# KiCad board latentpink.kicad_pcb
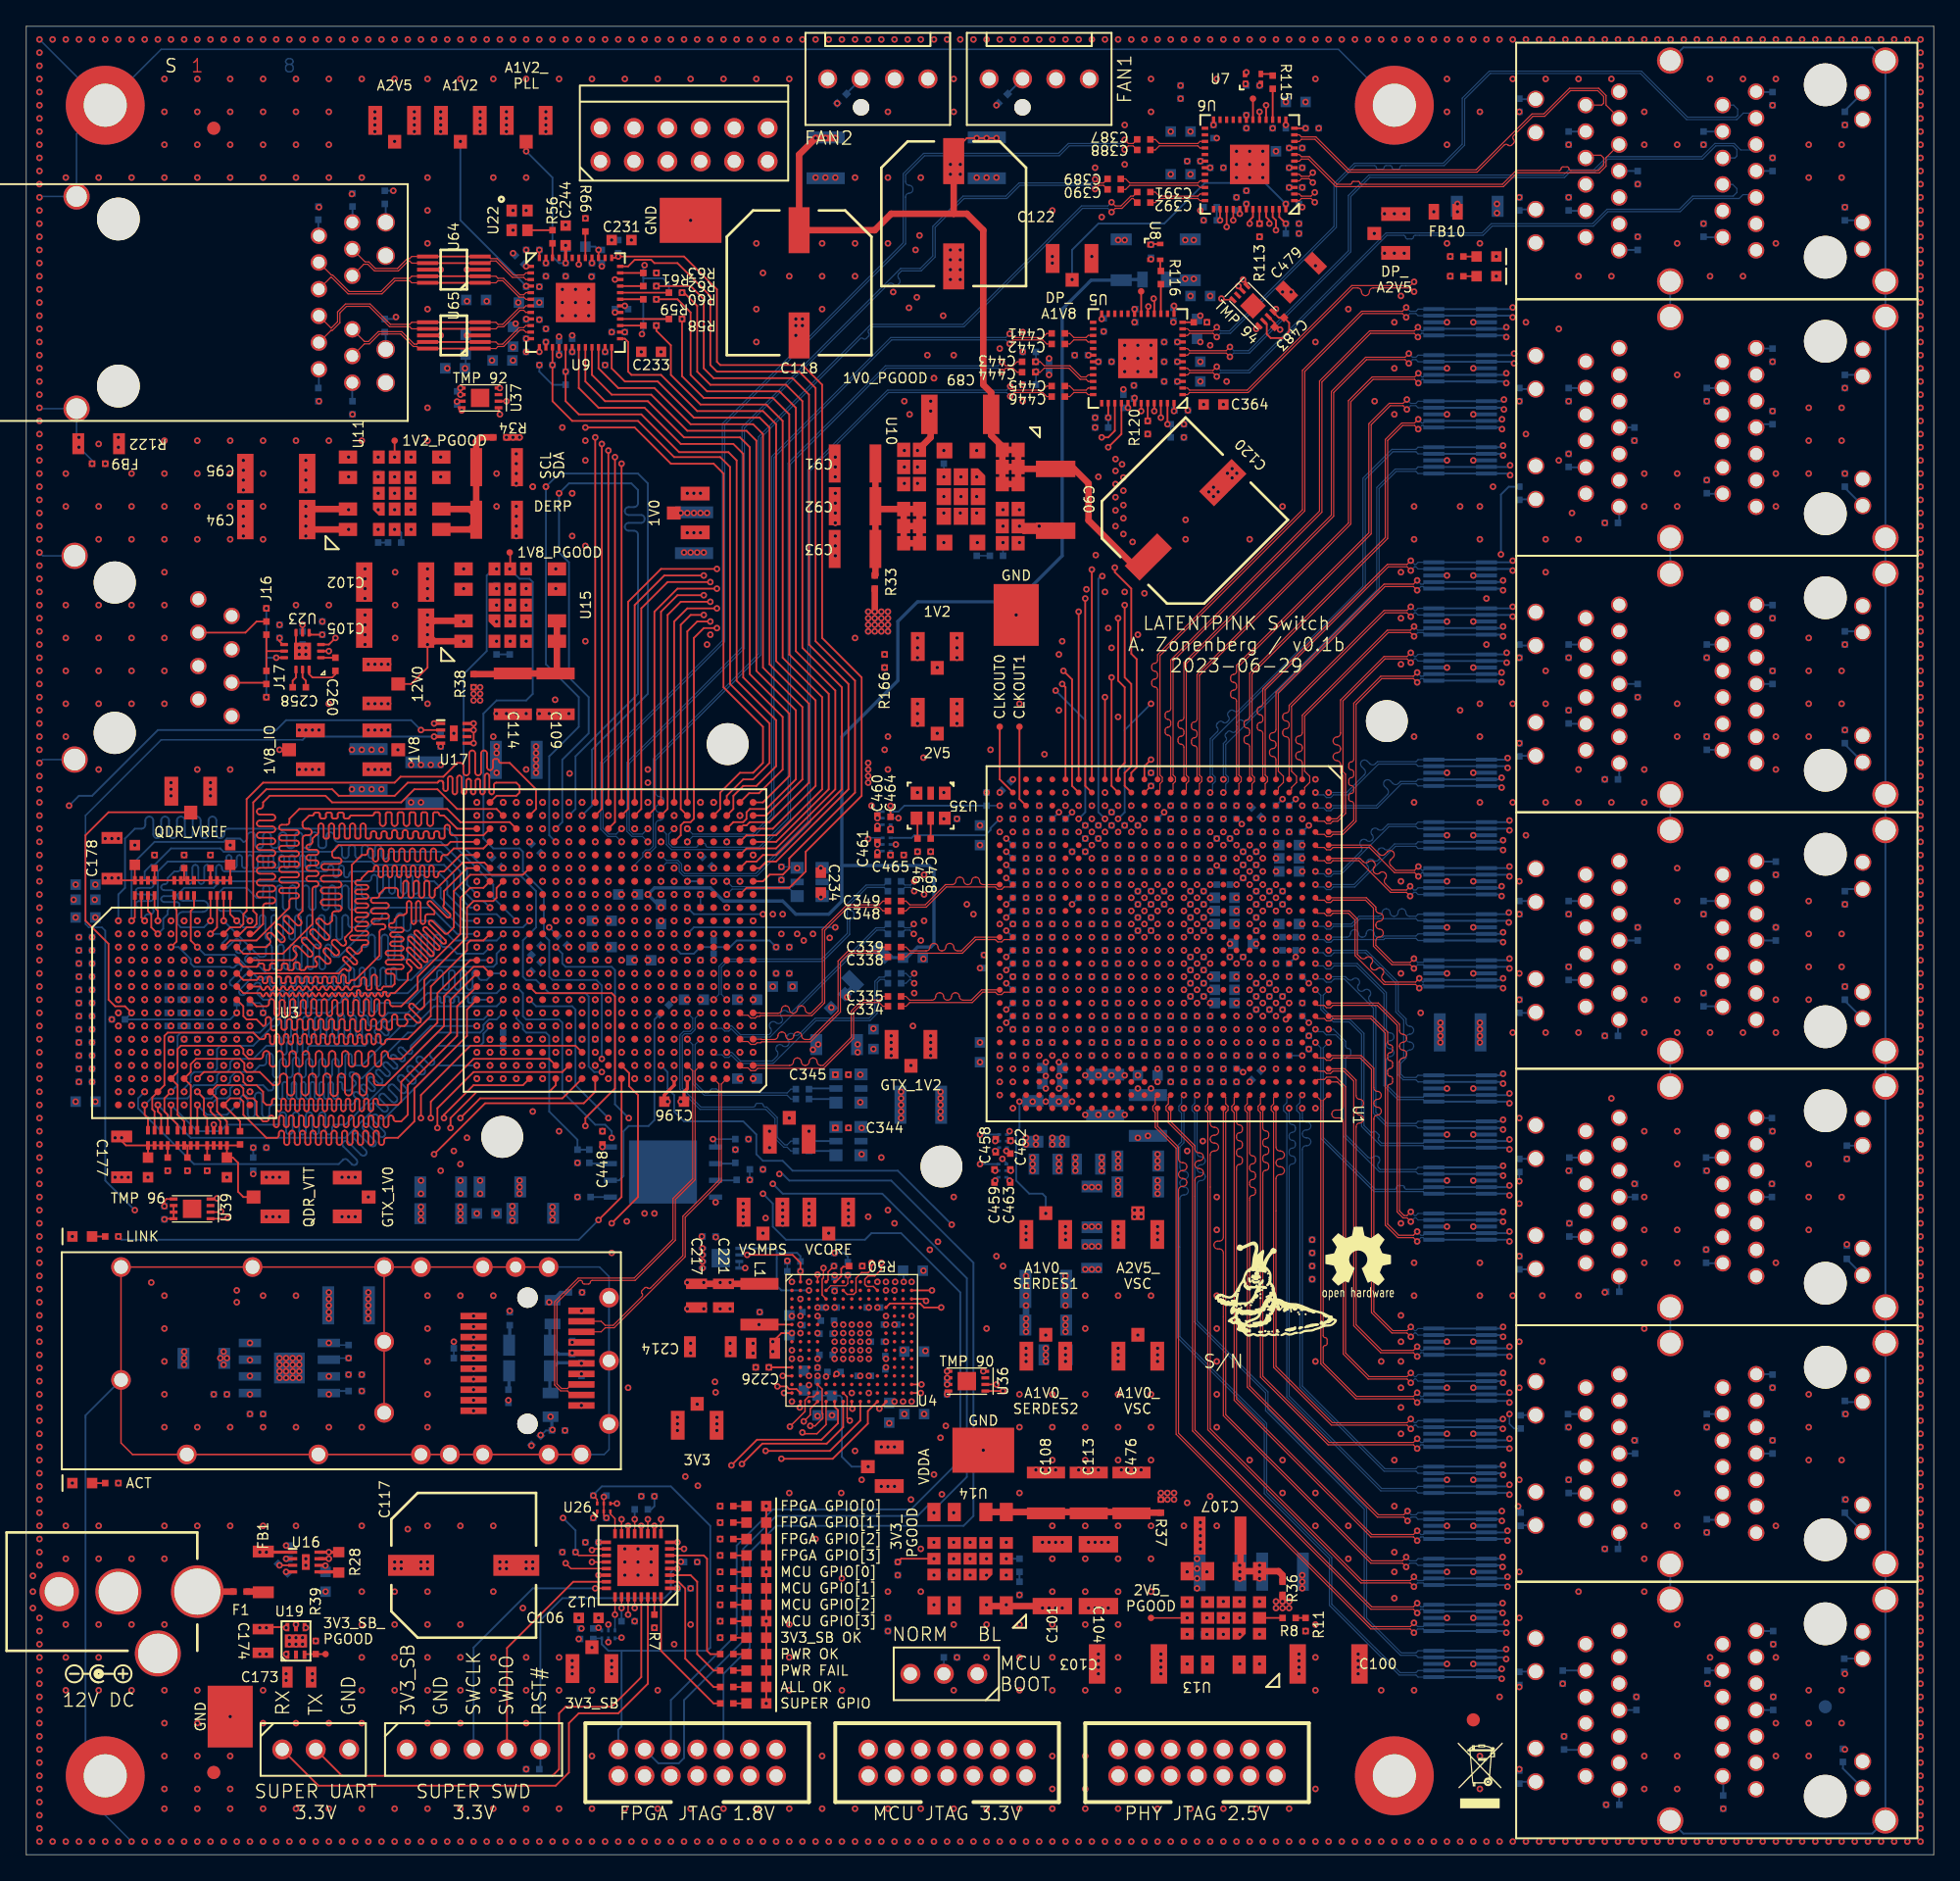
[diagram p0: board, top side]
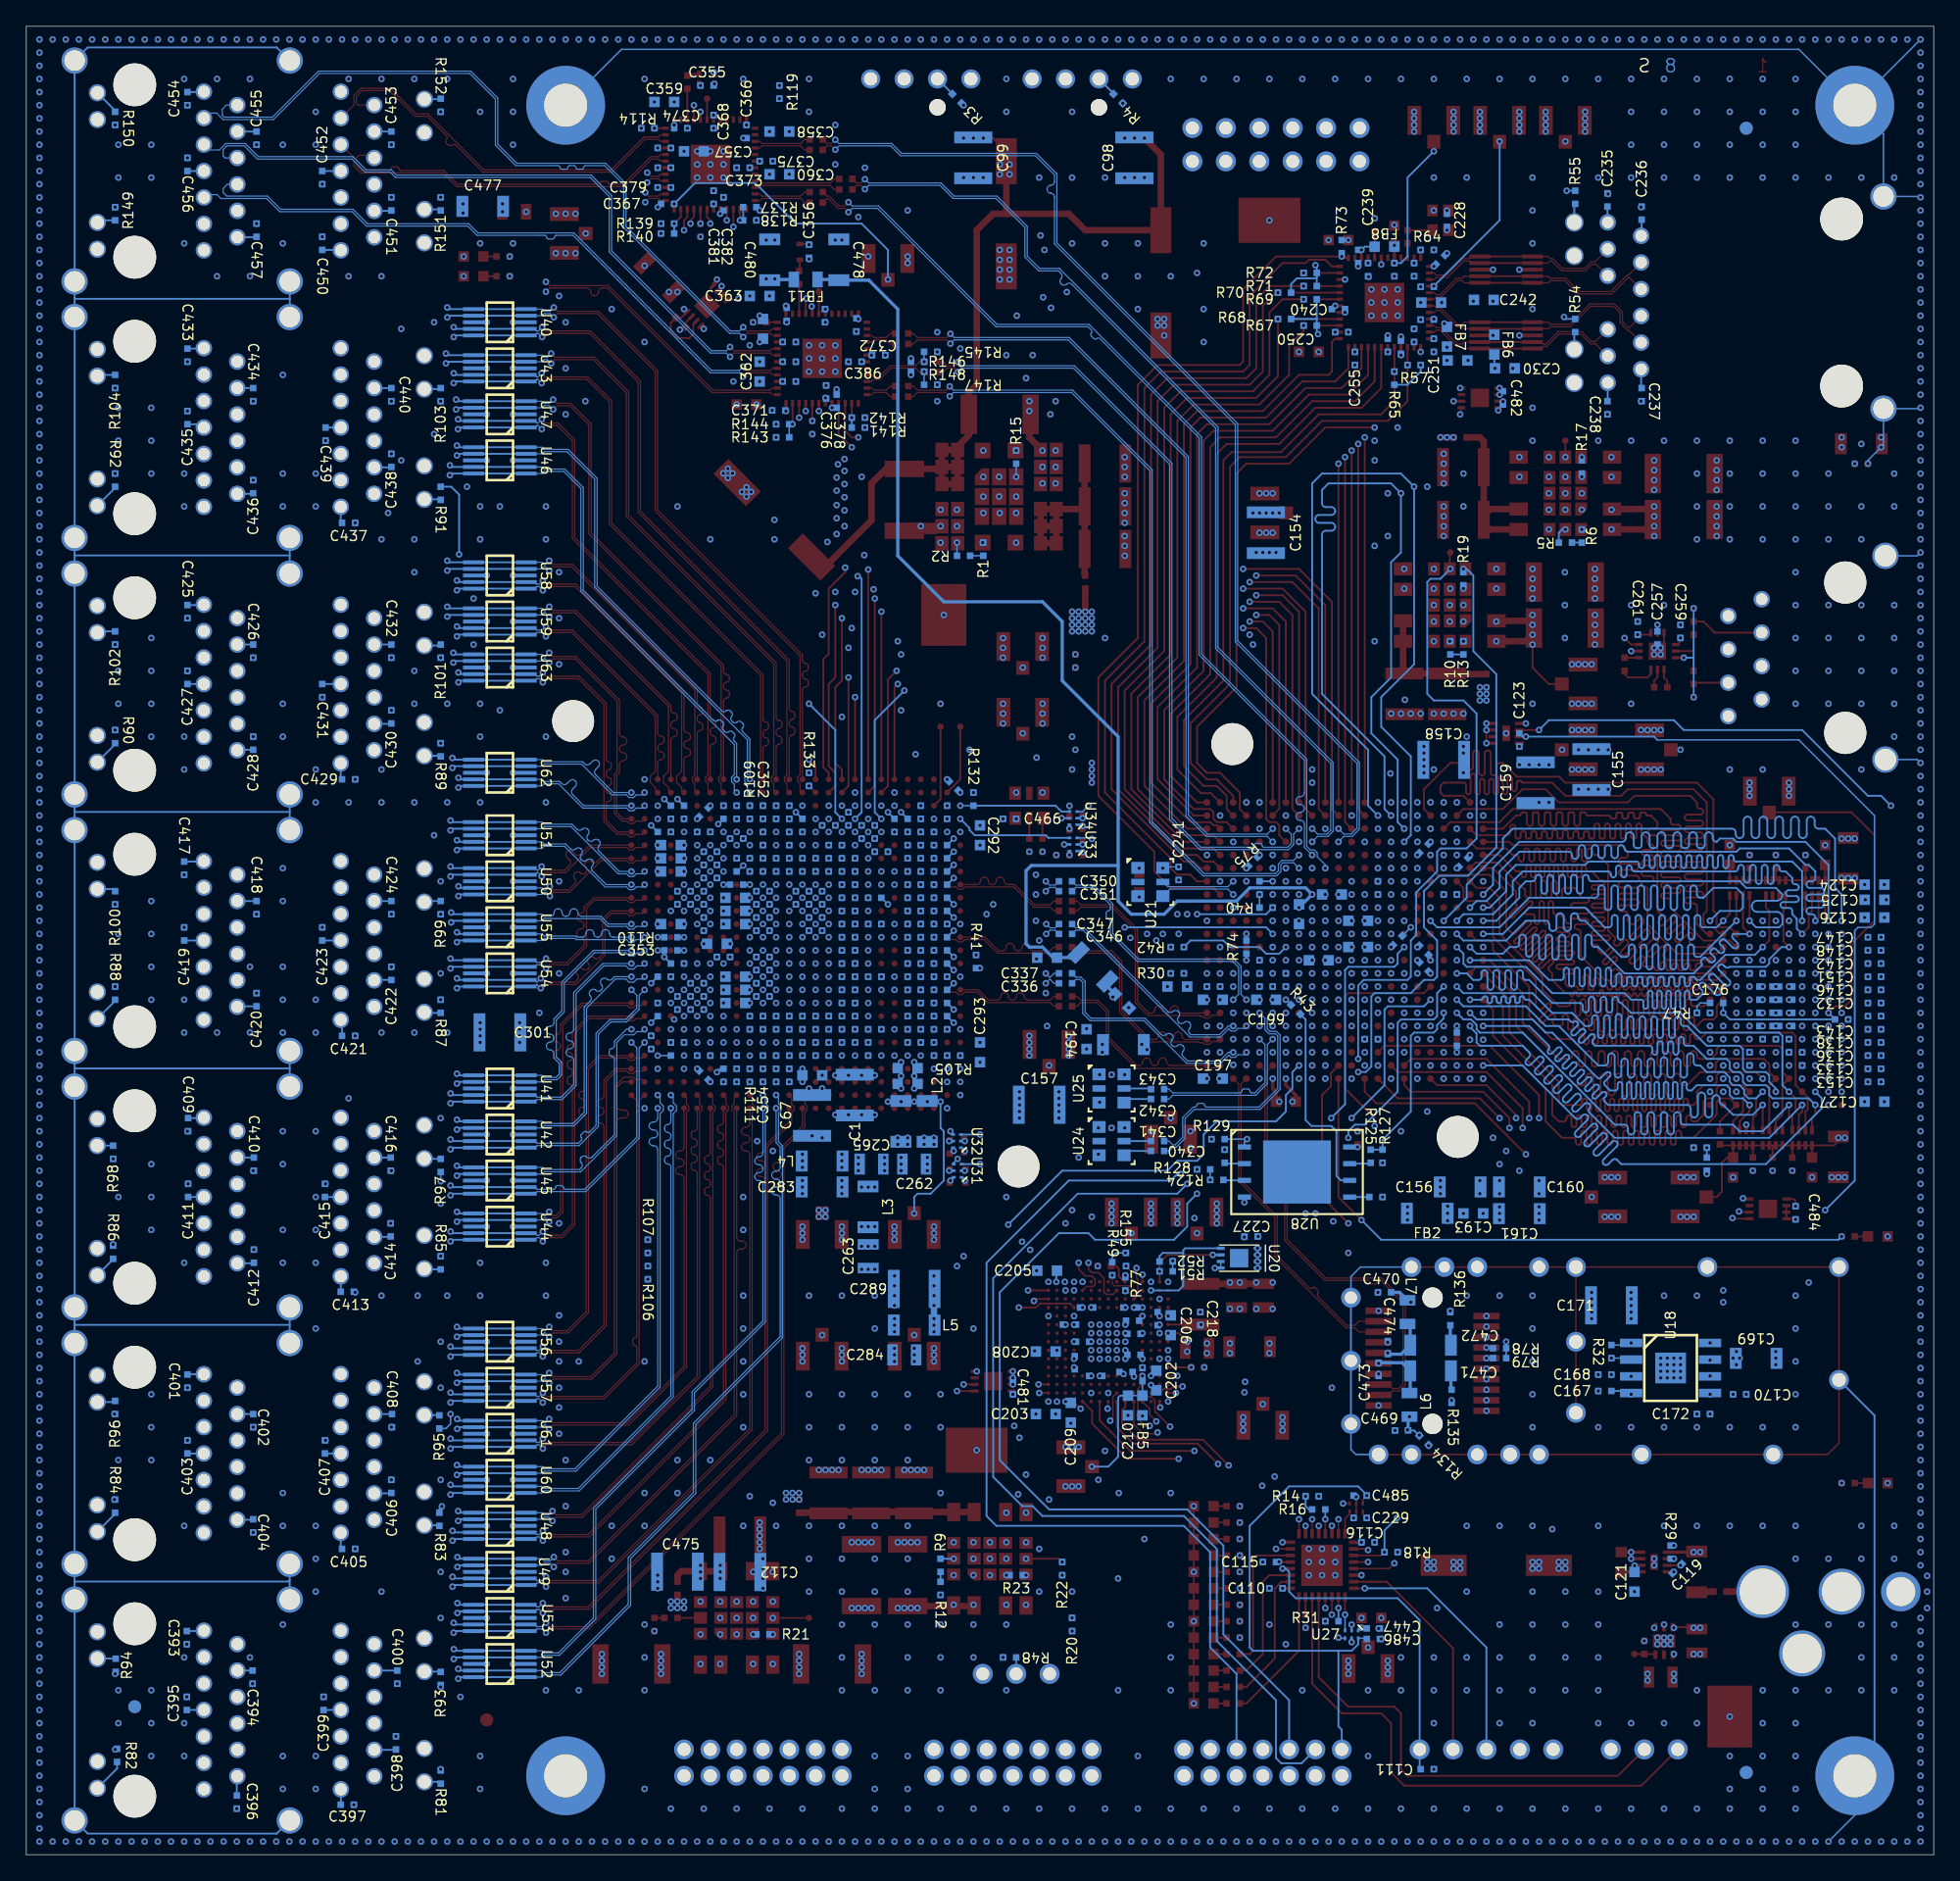
[diagram p1: board, bottom side, seen from below]

Outline 145 x 139 mm; copper layers: Top, In1.Cu, In2.Cu, In3.Cu, In4.Cu, In5.Cu, In6.Cu, Bottom. Coordinates in mm from the lower left corner of the outline.
Outline path: 0,139 0,0 145,0 145,139 0,139
Stack: Top 0.035mm / dielectric 0.274mm FR4 er 4.5 / In1.Cu 0.035mm / dielectric 0.274mm FR4 er 4.5 / In2.Cu 0.035mm / dielectric 0.274mm FR4 er 4.5 / In3.Cu 0.035mm / dielectric 0.274mm FR4 er 4.5 / In4.Cu 0.035mm / dielectric 0.274mm FR4 er 4.5 / In5.Cu 0.035mm / dielectric 0.274mm FR4 er 4.5 / In6.Cu 0.035mm / dielectric 0.274mm FR4 er 4.5 / Bottom 0.035mm

## Placement (name value [footprint] x y rotation side)
C1  330 uF  [EIA_1210_CAP_NOSILK]  82 57.75 270 bottom
C2  0.47 uF  [EIA_0402_CAP_NOSILK]  86 61.25 270 bottom
C3  0.47 uF  [EIA_0402_CAP_NOSILK]  88 75.25 270 bottom
C4  0.47 uF  [EIA_0402_CAP_NOSILK]  80.5 62.75 180 bottom
C5  0.47 uF  [EIA_0402_CAP_NOSILK]  87 61.25 270 bottom
C6  47 uF  [EIA_1206_CAP_NOSILK]  78.5 55.75 270 bottom
C7  0.47 uF  [EIA_0402_CAP_NOSILK]  77.5 64.75 0 bottom
C8  4.7 uF  [EIA_0603_CAP_NOSILK]  91.1 66.75 180 bottom
C9  0.47 uF  [EIA_0402_CAP_NOSILK]  85 63.25 90 bottom
C10  0.47 uF  [EIA_0402_CAP_NOSILK]  89 77.25 90 bottom
C11  0.47 uF  [EIA_0402_CAP_NOSILK]  84 61.25 270 bottom
C12  0.47 uF  [EIA_0402_CAP_NOSILK]  80.5 72.75 180 bottom
C13  4.7 uF  [EIA_0603_CAP_NOSILK]  78 58.6 0 bottom
C14  0.47 uF  [EIA_0402_CAP_NOSILK]  77.5 63.75 0 bottom
C15  4.7 uF  [EIA_0603_CAP_NOSILK]  91.1 72.75 180 bottom
C16  0.47 uF  [EIA_0402_CAP_NOSILK]  80.5 66.75 180 bottom
C17  0.47 uF  [EIA_0402_CAP_NOSILK]  87 77.25 90 bottom
C18  0.47 uF  [EIA_0402_CAP_NOSILK]  82.5 68.75 0 bottom
C19  0.47 uF  [EIA_0402_CAP_NOSILK]  89 63.25 90 bottom
C20  4.7 uF  [EIA_0603_CAP_NOSILK]  78 59.8 0 bottom
C21  0.47 uF  [EIA_0402_CAP_NOSILK]  77.5 71.75 0 bottom
C22  4.7 uF  [EIA_0603_CAP_NOSILK]  91.1 71.75 180 bottom
C23  0.47 uF  [EIA_0402_CAP_NOSILK]  80.5 70.75 180 bottom
C24  0.47 uF  [EIA_0402_CAP_NOSILK]  82.5 73.75 0 bottom
C25  0.47 uF  [EIA_0402_CAP_NOSILK]  82.5 70.75 0 bottom
C26  0.47 uF  [EIA_0402_CAP_NOSILK]  85 75.25 270 bottom
C27  0.47 uF  [EIA_0402_CAP_NOSILK]  77.5 61.75 0 bottom
C28  0.47 uF  [EIA_0402_CAP_NOSILK]  77.5 62.75 0 bottom
C29  4.7 uF  [EIA_0603_CAP_NOSILK]  91.1 65.75 180 bottom
C30  0.47 uF  [EIA_0402_CAP_NOSILK]  83.5 76.75 180 bottom
C31  0.47 uF  [EIA_0402_CAP_NOSILK]  82.5 63.75 0 bottom
C32  0.47 uF  [EIA_0402_CAP_NOSILK]  82.5 75.75 0 bottom
C33  0.47 uF  [EIA_0402_CAP_NOSILK]  81 61.25 270 bottom
C34  0.47 uF  [EIA_0402_CAP_NOSILK]  77.5 76.75 0 bottom
C35  0.47 uF  [EIA_0402_CAP_NOSILK]  77.5 72.75 0 bottom
C36  4.7 uF  [EIA_0603_CAP_NOSILK]  91.1 70.75 180 bottom
C37  0.47 uF  [EIA_0402_CAP_NOSILK]  86 75.25 270 bottom
C38  0.47 uF  [EIA_0402_CAP_NOSILK]  82.5 65.75 0 bottom
C39  0.47 uF  [EIA_0402_CAP_NOSILK]  82.5 62.75 0 bottom
C40  0.47 uF  [EIA_0402_CAP_NOSILK]  82.5 61.75 0 bottom
C41  0.47 uF  [EIA_0402_CAP_NOSILK]  77.5 74.75 0 bottom
C42  0.47 uF  [EIA_0402_CAP_NOSILK]  77.5 65.75 0 bottom
C43  4.7 uF  [EIA_0603_CAP_NOSILK]  91.1 64.75 180 bottom
C44  0.47 uF  [EIA_0402_CAP_NOSILK]  82.5 66.75 0 bottom
C45  0.47 uF  [EIA_0402_CAP_NOSILK]  82.5 71.75 0 bottom
C46  0.47 uF  [EIA_0402_CAP_NOSILK]  89 75.25 270 bottom
C47  0.47 uF  [EIA_0402_CAP_NOSILK]  82.5 64.75 0 bottom
C48  0.47 uF  [EIA_0402_CAP_NOSILK]  77.5 70.75 0 bottom
C49  0.47 uF  [EIA_0402_CAP_NOSILK]  77.5 75.75 0 bottom
C50  0.47 uF  [EIA_0402_CAP_NOSILK]  91 73.75 180 bottom
C51  0.47 uF  [EIA_0402_CAP_NOSILK]  87 63.25 90 bottom
C52  0.47 uF  [EIA_0402_CAP_NOSILK]  84 63.25 90 bottom
C53  0.47 uF  [EIA_0402_CAP_NOSILK]  82.5 74.75 0 bottom
C54  0.47 uF  [EIA_0402_CAP_NOSILK]  77.5 73.75 0 bottom
C55  0.47 uF  [EIA_0402_CAP_NOSILK]  77.5 66.75 0 bottom
C56  0.47 uF  [EIA_0402_CAP_NOSILK]  87 75.25 270 bottom
C57  0.47 uF  [EIA_0402_CAP_NOSILK]  82.5 69.75 0 bottom
C58  0.47 uF  [EIA_0402_CAP_NOSILK]  82.5 72.75 0 bottom
C59  0.47 uF  [EIA_0402_CAP_NOSILK]  85 61.25 270 bottom
C60  0.47 uF  [EIA_0402_CAP_NOSILK]  77.5 67.75 0 bottom
C61  0.47 uF  [EIA_0402_CAP_NOSILK]  77.5 69.75 0 bottom
C62  0.47 uF  [EIA_0402_CAP_NOSILK]  88 63.25 90 bottom
C63  0.47 uF  [EIA_0402_CAP_NOSILK]  84 75.25 270 bottom
C64  0.47 uF  [EIA_0402_CAP_NOSILK]  86 63.25 90 bottom
C65  0.47 uF  [EIA_0402_CAP_NOSILK]  82.5 67.75 0 bottom
C66  0.47 uF  [EIA_0402_CAP_NOSILK]  77.5 68.75 0 bottom
C67  47 uF  [EIA_1210_CAP_NOSILK]  85.25 56.2 270 bottom
C68  0.47 uF  [EIA_0402_CAP_NOSILK]  95.5 67.75 0 bottom
C69  0.47 uF  [EIA_0402_CAP_NOSILK]  87.5 79.75 180 bottom
C70  4.7 uF  [EIA_0603_CAP_NOSILK]  85.25 59.25 0 bottom
C71  0.47 uF  [EIA_0402_CAP_NOSILK]  96.5 66.75 0 bottom
C72  0.47 uF  [EIA_0402_CAP_NOSILK]  91.5 59.75 0 bottom
C73  4.7 uF  [EIA_0603_CAP_NOSILK]  96 74.75 0 bottom
C74  0.47 uF  [EIA_0402_CAP_NOSILK]  91.5 78.75 0 bottom
C75  0.47 uF  [EIA_0402_CAP_NOSILK]  96 79.25 90 bottom
C76  4.7 uF  [EIA_0603_CAP_NOSILK]  96 70.75 0 bottom
C77  0.47 uF  [EIA_0402_CAP_NOSILK]  88.5 60.75 0 bottom
C78  0.47 uF  [EIA_0402_CAP_NOSILK]  87.5 59.75 180 bottom
C79  0.47 uF  [EIA_0402_CAP_NOSILK]  91.5 79.75 0 bottom
C80  0.47 uF  [EIA_0402_CAP_NOSILK]  93.5 59.25 225 bottom
C81  0.47 uF  [EIA_0402_CAP_NOSILK]  93.5 79.25 135 bottom
C82  0.47 uF  [EIA_0402_CAP_NOSILK]  87.5 78.75 180 bottom
C83  0.47 uF  [EIA_0402_CAP_NOSILK]  91.5 58.75 0 bottom
C84  0.47 uF  [EIA_0402_CAP_NOSILK]  93.5 77.75 180 bottom
C85  0.47 uF  [EIA_0402_CAP_NOSILK]  95 79.25 90 bottom
C86  0.47 uF  [EIA_0402_CAP_NOSILK]  96.5 77.75 0 bottom
C87  0.47 uF  [EIA_0402_CAP_NOSILK]  93.5 60.75 180 bottom
C88  0.47 uF  [EIA_0402_CAP_NOSILK]  87.5 58.75 180 bottom
C89  22 uF 25V  [EIA_1812_CAP_NOSILK]  71 109.5 180 top
C90  22 uF 25V  [EIA_1812_CAP_NOSILK]  78.25 103 270 top
C91  220 uF  [EIA_1210_CAP_NOSILK]  63 105.75 180 top
C92  220 uF  [EIA_1210_CAP_NOSILK]  63 102.5 180 top
C93  220 uF  [EIA_1210_CAP_NOSILK]  63 99.25 180 top
C94  22 uF 25V  [EIA_1812_CAP_NOSILK]  19 101.5 180 top
C95  22 uF 25V  [EIA_1812_CAP_NOSILK]  19 105 180 top
C96  220 uF  [EIA_1210_CAP_NOSILK]  35.75 101.5 0 top
C97  220 uF  [EIA_1210_CAP_NOSILK]  35.75 105.5 0 top
C98  10 uF 25V  [EIA_1210_CAP_NOSILK]  60.75 129 270 bottom
C99  10 uF 25V  [EIA_1210_CAP_NOSILK]  73 129 270 bottom
C100  22 uF 25V  [EIA_1812_CAP_NOSILK]  99 14.5 0 top
C101  22 uF 25V  [EIA_1812_CAP_NOSILK]  78 21.25 90 top
C102  22 uF 25V  [EIA_1812_CAP_NOSILK]  28.04 96.75 180 top
C103  22 uF 25V  [EIA_1812_CAP_NOSILK]  83.75 14.5 180 top
C104  22 uF 25V  [EIA_1812_CAP_NOSILK]  81.5 21.25 270 top
C105  22 uF 25V  [EIA_1812_CAP_NOSILK]  28.04 93.25 180 top
C106  4.7 uF  [EIA_0603_CAP_NOSILK]  42.75 18 0 top
C107  220 uF  [EIA_1210_CAP_NOSILK]  90.75 24.25 180 top
C108  220 uF  [EIA_1210_CAP_NOSILK]  77.5 27.5 90 top
C109  220 uF  [EIA_1210_CAP_NOSILK]  40.25 88.25 270 top
C110  0.47 uF  [EIA_0402_CAP_NOSILK]  50 20.25 0 bottom
C111  0.1 uF  [EIA_0402_CAP_NOSILK]  38.5 6.5 180 bottom
C112  220 uF  [EIA_1210_CAP_NOSILK]  90.75 21.5 180 bottom
C113  220 uF  [EIA_1210_CAP_NOSILK]  80.75 27.5 90 top
C114  220 uF  [EIA_1210_CAP_NOSILK]  37 88.25 270 top
C115  0.47 uF  [EIA_0402_CAP_NOSILK]  50.5 22.25 0 bottom
C116  0.47 uF  [EIA_0402_CAP_NOSILK]  43 23.75 180 bottom
C117  EEH-ZS1E102UV  [CAP_AL_10MM_SMT]  33.25 22 90 top
C118  DNP  [CAP_AL_10MM_SMT]  58.75 119.5 0 top
C119  0.47 uF  [EIA_0402_CAP_NOSILK]  19.5 21.75 315 bottom
C120  DNP  [CAP_AL_10MM_SMT]  88.13 101.48 135 top
C121  0.015 uF  [EIA_0603_CAP_NOSILK]  22.75 20.75 270 bottom
C122  EEH-ZS1E102UV  [CAP_AL_10MM_SMT]  70.5 124.75 0 top
C123  0.47 uF  [EIA_0402_CAP_NOSILK]  31.5 84.75 270 bottom
C124  4.7 uF  [EIA_0603_CAP_NOSILK]  4.5 73.75 180 bottom
C125  4.7 uF  [EIA_0603_CAP_NOSILK]  4.5 72.6 180 bottom
C126  4.7 uF  [EIA_0603_CAP_NOSILK]  4.5 71.25 180 bottom
C127  4.7 uF  [EIA_0603_CAP_NOSILK]  4.5 57.25 180 bottom
C128  0.47 uF  [EIA_0402_CAP_NOSILK]  4.5 63.75 180 bottom
C129  0.47 uF  [EIA_0402_CAP_NOSILK]  12.5 62 180 bottom
C130  0.47 uF  [EIA_0402_CAP_NOSILK]  11.25 66 0 bottom
C131  0.47 uF  [EIA_0402_CAP_NOSILK]  13.5 67 180 bottom
C132  0.47 uF  [EIA_0402_CAP_NOSILK]  4.5 64.75 180 bottom
C133  0.47 uF  [EIA_0402_CAP_NOSILK]  4.5 59.75 180 bottom
C134  0.47 uF  [EIA_0402_CAP_NOSILK]  12.75 63 180 bottom
C135  0.47 uF  [EIA_0402_CAP_NOSILK]  11.25 65 0 bottom
C136  0.47 uF  [EIA_0402_CAP_NOSILK]  4.5 60.75 180 bottom
C137  0.47 uF  [EIA_0402_CAP_NOSILK]  10 60.5 270 bottom
C138  0.47 uF  [EIA_0402_CAP_NOSILK]  4.5 61.75 180 bottom
C139  0.47 uF  [EIA_0402_CAP_NOSILK]  12.75 66 180 bottom
C140  0.47 uF  [EIA_0402_CAP_NOSILK]  12.75 65 180 bottom
C141  0.47 uF  [EIA_0402_CAP_NOSILK]  14 60.5 270 bottom
C142  0.47 uF  [EIA_0402_CAP_NOSILK]  4.5 67.75 180 bottom
C143  0.47 uF  [EIA_0402_CAP_NOSILK]  4.5 62.75 180 bottom
C144  0.47 uF  [EIA_0402_CAP_NOSILK]  11 61.5 270 bottom
C145  0.47 uF  [EIA_0402_CAP_NOSILK]  12.75 64 180 bottom
C146  0.47 uF  [EIA_0402_CAP_NOSILK]  4.5 65.75 180 bottom
C147  0.47 uF  [EIA_0402_CAP_NOSILK]  4.5 69.75 180 bottom
C148  0.47 uF  [EIA_0402_CAP_NOSILK]  4.5 68.75 180 bottom
C149  0.47 uF  [EIA_0402_CAP_NOSILK]  11.25 64 0 bottom
C150  0.47 uF  [EIA_0402_CAP_NOSILK]  11.25 63 0 bottom
C151  0.47 uF  [EIA_0402_CAP_NOSILK]  4.5 66.75 180 bottom
C152  0.47 uF  [EIA_0402_CAP_NOSILK]  10.5 67 0 bottom
C153  0.47 uF  [EIA_0402_CAP_NOSILK]  4.5 58.75 180 bottom
C154  330 uF  [EIA_1210_CAP_NOSILK]  50.75 100.5 270 bottom
C155  47 uF  [EIA_1210_CAP_NOSILK]  26 82.5 270 bottom
C156  100 uF  [EIA_1206_CAP_NOSILK]  36 50.75 0 bottom
C157  47 uF  [EIA_1210_CAP_NOSILK]  68 57 0 bottom
C158  330 uF  [EIA_1210_CAP_NOSILK]  37.25 83.25 180 bottom
C159  47 uF  [EIA_1210_CAP_NOSILK]  30.25 81.5 270 bottom
C160  100 uF  [EIA_1206_CAP_NOSILK]  31.5 50.75 0 bottom
C161  100 uF  [EIA_1206_CAP_NOSILK]  31.5 48.75 180 bottom
C162  4.7 uF  [EIA_0603_CAP_NOSILK]  45.75 73 0 bottom
C163  4.7 uF  [EIA_0603_CAP_NOSILK]  43.75 69 0 bottom
C164  4.7 uF  [EIA_0603_CAP_NOSILK]  46.75 68 0 bottom
C165  4.7 uF  [EIA_0603_CAP_NOSILK]  43.75 71 0 bottom
C166  4.7 uF  [EIA_0603_CAP_NOSILK]  48.25 71.5 270 bottom
C167  0.1 uF  [EIA_0402_CAP_NOSILK]  25 35.25 0 bottom
C168  0.1 uF  [EIA_0402_CAP_NOSILK]  25 36.5 0 bottom
C169  22 uF  [EIA_1206_CAP_NOSILK]  13.5 37.75 180 bottom
C170  0.47 uF  [EIA_0402_CAP_NOSILK]  14.75 35 180 bottom
C171  220 uF  [EIA_1210_CAP_NOSILK]  24.5 41.75 0 bottom
C172  0.47 uF  [EIA_0402_CAP_NOSILK]  17.5 33.5 0 bottom
C173  2.2 uF  [EIA_0805_CAP_NOSILK]  20.75 13.5 0 top
C174  2.2 uF  [EIA_0805_CAP_NOSILK]  18 16.25 270 top
C175  0.47 uF  [EIA_0402_CAP_NOSILK]  7 63.5 180 bottom
C176  0.47 uF  [EIA_0402_CAP_NOSILK]  16.5 64.75 0 bottom
C177  47 uF  [EIA_1206_CAP_NOSILK]  7.26 53.05 270 top
C178  47 uF  [EIA_1206_CAP_NOSILK]  6.5 75.75 90 top
C179  0.47 uF  [EIA_0402_CAP_NOSILK]  14 75.5 90 top
C180  4.7 uF  [EIA_0603_CAP_NOSILK]  15.5 76 90 top
C181  0.47 uF  [EIA_0402_CAP_NOSILK]  12 75.5 90 top
C182  4.7 uF  [EIA_0603_CAP_NOSILK]  15.25 52.25 270 top
C183  0.47 uF  [EIA_0402_CAP_NOSILK]  9.75 75.5 90 top
C184  4.7 uF  [EIA_0603_CAP_NOSILK]  8.25 76 90 top
C185  0.47 uF  [EIA_0402_CAP_NOSILK]  10.75 52.5 270 top
C186  4.7 uF  [EIA_0603_CAP_NOSILK]  9.25 52.25 270 top
C187  0.47 uF  [EIA_0402_CAP_NOSILK]  12.25 52.5 270 top
C188  0.47 uF  [EIA_0402_CAP_NOSILK]  35.75 75.45 135 bottom
C189  0.47 uF  [EIA_0402_CAP_NOSILK]  13.75 52.5 270 top
C190  0.47 uF  [EIA_0402_CAP_NOSILK]  38.75 76.5 135 bottom
C191  0.47 uF  [EIA_0402_CAP_NOSILK]  42.75 62 0 bottom
C192  0.47 uF  [EIA_0402_CAP_NOSILK]  36.25 62 90 bottom
C193  4.7 uF  [EIA_0603_CAP_NOSILK]  35 48.75 180 bottom
C194  4.7 uF  [EIA_0603_CAP_NOSILK]  64.4 62 90 bottom
C195  4.7 uF  [EIA_0603_CAP_NOSILK]  67.4 68.2 0 bottom
C196  4.7 uF  [EIA_0603_CAP_NOSILK]  49.25 57.25 180 top
C197  4.7 uF  [EIA_0603_CAP_NOSILK]  54.8 59 0 bottom
C198  4.7 uF  [EIA_0603_CAP_NOSILK]  57.5 66 0 bottom
C199  4.7 uF  [EIA_0603_CAP_NOSILK]  50.75 65 0 bottom
C200  4.7 uF  [EIA_0603_CAP_NOSILK]  54.8 65 0 bottom
C201  4.7 uF  [EIA_0603_CAP_NOSILK]  61.7 64.9 225 bottom
C202  4.7 uF  [EIA_0603_CAP_NOSILK]  59.1 36.05 270 bottom
C203  4.7 uF  [EIA_0603_CAP_NOSILK]  67.5 33.5 0 bottom
C204  10 uF  [EIA_0805_CAP_NOSILK]  56 38.5 180 top
C205  2.2 uF  [EIA_0603_CAP_NOSILK]  67.4 44.4 0 bottom
C206  4.7 uF  [EIA_0603_CAP_NOSILK]  58 40.25 90 bottom
C207  0.1 uF  [EIA_0402_CAP_NOSILK]  59 40.75 270 bottom
C208  4.7 uF  [EIA_0603_CAP_NOSILK]  67.5 38.25 180 bottom
C209  2.2 uF  [EIA_0603_CAP_NOSILK]  65.6 33.6 270 bottom
C210  4.7 uF  [EIA_0603_CAP_NOSILK]  61.25 34.15 270 bottom
C211  0.47 uF  [EIA_0402_CAP_NOSILK]  64.4 41.6 180 bottom
C212  0.47 uF  [EIA_0402_CAP_NOSILK]  61.1 41.6 180 bottom
C213  0.47 uF  [EIA_0402_CAP_NOSILK]  60.15 36.5 90 bottom
C214  22 uF  [EIA_1206_CAP_NOSILK]  52 38.6 180 top
C215  0.47 uF  [EIA_0402_CAP_NOSILK]  64.7 39 180 bottom
C216  0.47 uF  [EIA_0402_CAP_NOSILK]  65.3 37.4 270 bottom
C217  10 uF  [EIA_0805_CAP_NOSILK]  50.95 42.5 270 top
C218  220 pF  [EIA_0402_CAP_NOSILK]  55.75 40.75 90 bottom
C219  0.47 uF  [EIA_0402_CAP_NOSILK]  65.7 40.3 180 bottom
C220  0.47 uF  [EIA_0402_CAP_NOSILK]  60.9 40.6 180 bottom
C221  10 uF  [EIA_0805_CAP_NOSILK]  53 42.5 270 top
C222  0.47 uF  [EIA_0402_CAP_NOSILK]  60.8 38 0 bottom
C223  0.47 uF  [EIA_0402_CAP_NOSILK]  63.7 36.4 180 bottom
C224  0.47 uF  [EIA_0402_CAP_NOSILK]  60.8 39.6 0 bottom
C225  0.47 uF  [EIA_0402_CAP_NOSILK]  61.4 36.7 180 bottom
C226  0.1 uF  [EIA_0402_CAP_NOSILK]  55.95 37.05 180 top
C227  0.47 uF  [EIA_0402_CAP_NOSILK]  51.9 47 180 bottom
C228  0.47 uF  [EIA_0402_CAP_NOSILK]  37 124.25 270 bottom
C229  0.47 uF  [EIA_0402_CAP_NOSILK]  43.6 25.6 0 bottom
C230  4.7 uF  [EIA_0603_CAP_NOSILK]  32.6 113 180 bottom
C231  4.7 uF  [EIA_0603_CAP_NOSILK]  45.25 122.75 0 top
C232  4.7 uF  [EIA_0603_CAP_NOSILK]  36.2 113.6 180 bottom
C233  4.7 uF  [EIA_0603_CAP_NOSILK]  47.5 114.25 0 top
C234  4.7 uF  [EIA_0603_CAP_NOSILK]  60.4 73.9 270 top
C235  0.1 uF  [EIA_0402_CAP_NOSILK]  24.8 125.8 270 bottom
C236  0.1 uF  [EIA_0402_CAP_NOSILK]  22.2 124.8 270 bottom
C237  0.1 uF  [EIA_0402_CAP_NOSILK]  22.2 111 90 bottom
C238  0.1 uF  [EIA_0402_CAP_NOSILK]  24.8 110 90 bottom
C239  0.47 uF  [EIA_0402_CAP_NOSILK]  43 120.5 270 bottom
C240  0.47 uF  [EIA_0402_CAP_NOSILK]  45.25 117.5 180 bottom
C241  0.47 uF  [EIA_0402_CAP_NOSILK]  57.4 74.6 270 bottom
C242  4.7 uF  [EIA_0603_CAP_NOSILK]  34.2 118.2 0 bottom
C243  4.7 uF  [EIA_0603_CAP_NOSILK]  38.2 118 0 bottom
C244  4.7 uF  [EIA_0603_CAP_NOSILK]  41 123.1 90 top
C245  0.47 uF  [EIA_0402_CAP_NOSILK]  40.5 114.6 90 bottom
C246  0.47 uF  [EIA_0402_CAP_NOSILK]  41.5 114.75 90 bottom
C247  0.47 uF  [EIA_0402_CAP_NOSILK]  38.5 116.7 0 bottom
C248  0.47 uF  [EIA_0402_CAP_NOSILK]  41 120.5 270 bottom
C249  0.47 uF  [EIA_0402_CAP_NOSILK]  39.5 120.5 270 bottom
C250  0.47 uF  [EIA_0402_CAP_NOSILK]  45 115.75 180 bottom
C251  0.47 uF  [EIA_0402_CAP_NOSILK]  38 114.75 270 bottom
C252  0.47 uF  [EIA_0402_CAP_NOSILK]  38.5 119.2 0 bottom
C253  0.47 uF  [EIA_0402_CAP_NOSILK]  39.5 115.5 90 bottom
C254  0.47 uF  [EIA_0402_CAP_NOSILK]  37.5 121.25 135 bottom
C255  0.47 uF  [EIA_0402_CAP_NOSILK]  44 113.75 270 bottom
C256  0.47 uF  [EIA_0402_CAP_NOSILK]  43.75 121.5 270 bottom
C257  0.47 uF  [EIA_0402_CAP_NOSILK]  21 92.5 270 bottom
C258  0.1 uF  [EIA_0402_CAP_NOSILK]  20.75 88.75 180 top
C259  0.1 uF  [EIA_0402_CAP_NOSILK]  19.25 93 90 bottom
C260  0.1 uF  [EIA_0402_CAP_NOSILK]  23.5 90.5 270 top
C261  0.1 uF  [EIA_0402_CAP_NOSILK]  22.5 93.25 90 bottom
C262  22 uF  [EIA_0805_CAP_NOSILK]  77.5 52.5 0 bottom
C263  22 uF  [EIA_0805_CAP_NOSILK]  81 45.5 270 bottom
C264  0.47 uF  [EIA_0402_CAP_NOSILK]  94 64.25 0 bottom
C265  22 uF  [EIA_0805_CAP_NOSILK]  80.75 52.5 180 bottom
C266  0.47 uF  [EIA_0402_CAP_NOSILK]  94 66.25 0 bottom
C267  4.7 uF  [EIA_0603_CAP_NOSILK]  92.5 69.25 180 bottom
C268  0.47 uF  [EIA_0402_CAP_NOSILK]  91 77.25 0 bottom
C269  0.47 uF  [EIA_0402_CAP_NOSILK]  91 75.25 270 bottom
C270  0.47 uF  [EIA_0402_CAP_NOSILK]  89.5 70.75 270 bottom
C271  0.47 uF  [EIA_0402_CAP_NOSILK]  89.5 67.75 90 bottom
C272  0.47 uF  [EIA_0402_CAP_NOSILK]  88.5 72.75 270 bottom
C273  0.47 uF  [EIA_0402_CAP_NOSILK]  92 68.25 180 bottom
C274  0.47 uF  [EIA_0402_CAP_NOSILK]  95.5 72.75 90 bottom
C275  0.47 uF  [EIA_0402_CAP_NOSILK]  88.5 67.75 90 bottom
C276  0.47 uF  [EIA_0402_CAP_NOSILK]  91.5 60.75 0 bottom
C277  0.47 uF  [EIA_0402_CAP_NOSILK]  88.5 65.75 90 bottom
C278  0.47 uF  [EIA_0402_CAP_NOSILK]  92.5 75.75 270 bottom
C279  0.47 uF  [EIA_0402_CAP_NOSILK]  88.5 70.75 270 bottom
C280  0.47 uF  [EIA_0402_CAP_NOSILK]  94 73.25 180 bottom
C281  0.47 uF  [EIA_0402_CAP_NOSILK]  95.5 64.75 270 bottom
C282  0.47 uF  [EIA_0402_CAP_NOSILK]  93 74.25 180 bottom
C283  22 uF  [EIA_1206_CAP_NOSILK]  84.5 50.75 0 bottom
C284  22 uF  [EIA_0805_CAP_NOSILK]  78.25 38 0 bottom
C285  0.47 uF  [EIA_0402_CAP_NOSILK]  90 75.25 270 bottom
C286  0.47 uF  [EIA_0402_CAP_NOSILK]  89.5 65.75 90 bottom
C287  0.47 uF  [EIA_0402_CAP_NOSILK]  94 65.25 180 bottom
C288  0.47 uF  [EIA_0402_CAP_NOSILK]  90 63.25 90 bottom
C289  47 uF  [EIA_1210_CAP_NOSILK]  77.5 43 0 bottom
C290  0.47 uF  [EIA_0402_CAP_NOSILK]  94 72.25 0 bottom
C291  0.47 uF  [EIA_0402_CAP_NOSILK]  89.5 72.75 270 bottom
C292  4.7 uF  [EIA_0603_CAP_NOSILK]  72.5 77.5 90 bottom
C293  4.7 uF  [EIA_0603_CAP_NOSILK]  72.5 61 270 bottom
C294  0.47 uF  [EIA_0402_CAP_NOSILK]  93.5 70.75 270 bottom
C295  0.47 uF  [EIA_0402_CAP_NOSILK]  76 61.25 270 bottom
C296  0.47 uF  [EIA_0402_CAP_NOSILK]  75.5 73.75 180 bottom
C297  0.47 uF  [EIA_0402_CAP_NOSILK]  75.5 62.75 180 bottom
C298  0.47 uF  [EIA_0402_CAP_NOSILK]  75.5 74.75 180 bottom
C299  0.47 uF  [EIA_0402_CAP_NOSILK]  75.5 70.75 180 bottom
C300  0.47 uF  [EIA_0402_CAP_NOSILK]  75.5 75.75 180 bottom
C301  47 uF  [EIA_1210_CAP_NOSILK]  109 62.5 0 bottom
C302  0.47 uF  [EIA_0402_CAP_NOSILK]  84 78.25 180 bottom
C303  0.47 uF  [EIA_0402_CAP_NOSILK]  80 76.25 0 bottom
C304  0.47 uF  [EIA_0402_CAP_NOSILK]  75.5 67.75 180 bottom
C305  0.47 uF  [EIA_0402_CAP_NOSILK]  75.5 76.75 180 bottom
C306  4.7 uF  [EIA_0603_CAP_NOSILK]  96 76.75 0 bottom
C307  0.47 uF  [EIA_0402_CAP_NOSILK]  76.5 77.75 180 bottom
C308  0.47 uF  [EIA_0402_CAP_NOSILK]  97 64.25 270 bottom
C309  0.47 uF  [EIA_0402_CAP_NOSILK]  75.5 68.75 180 bottom
C310  0.47 uF  [EIA_0402_CAP_NOSILK]  75.5 66.75 180 bottom
C311  4.7 uF  [EIA_0603_CAP_NOSILK]  96 75.75 0 bottom
C312  0.47 uF  [EIA_0402_CAP_NOSILK]  77 79.25 90 bottom
C313  0.47 uF  [EIA_0402_CAP_NOSILK]  85.5 70.75 270 bottom
C314  0.47 uF  [EIA_0402_CAP_NOSILK]  75.5 69.75 180 bottom